# Altium PCB Controller.PcbDoc (part 2 of 3)
Units mm, origin at the board's own origin, x right, y up, seen from the top; angles counter-clockwise.
Board outline 182.88 x 202.56 mm, 2 copper layers (Top Layer, Bottom Layer), stack 1.571 mm thick; 290 components, 190 nets, 919 pads, 198 vias.
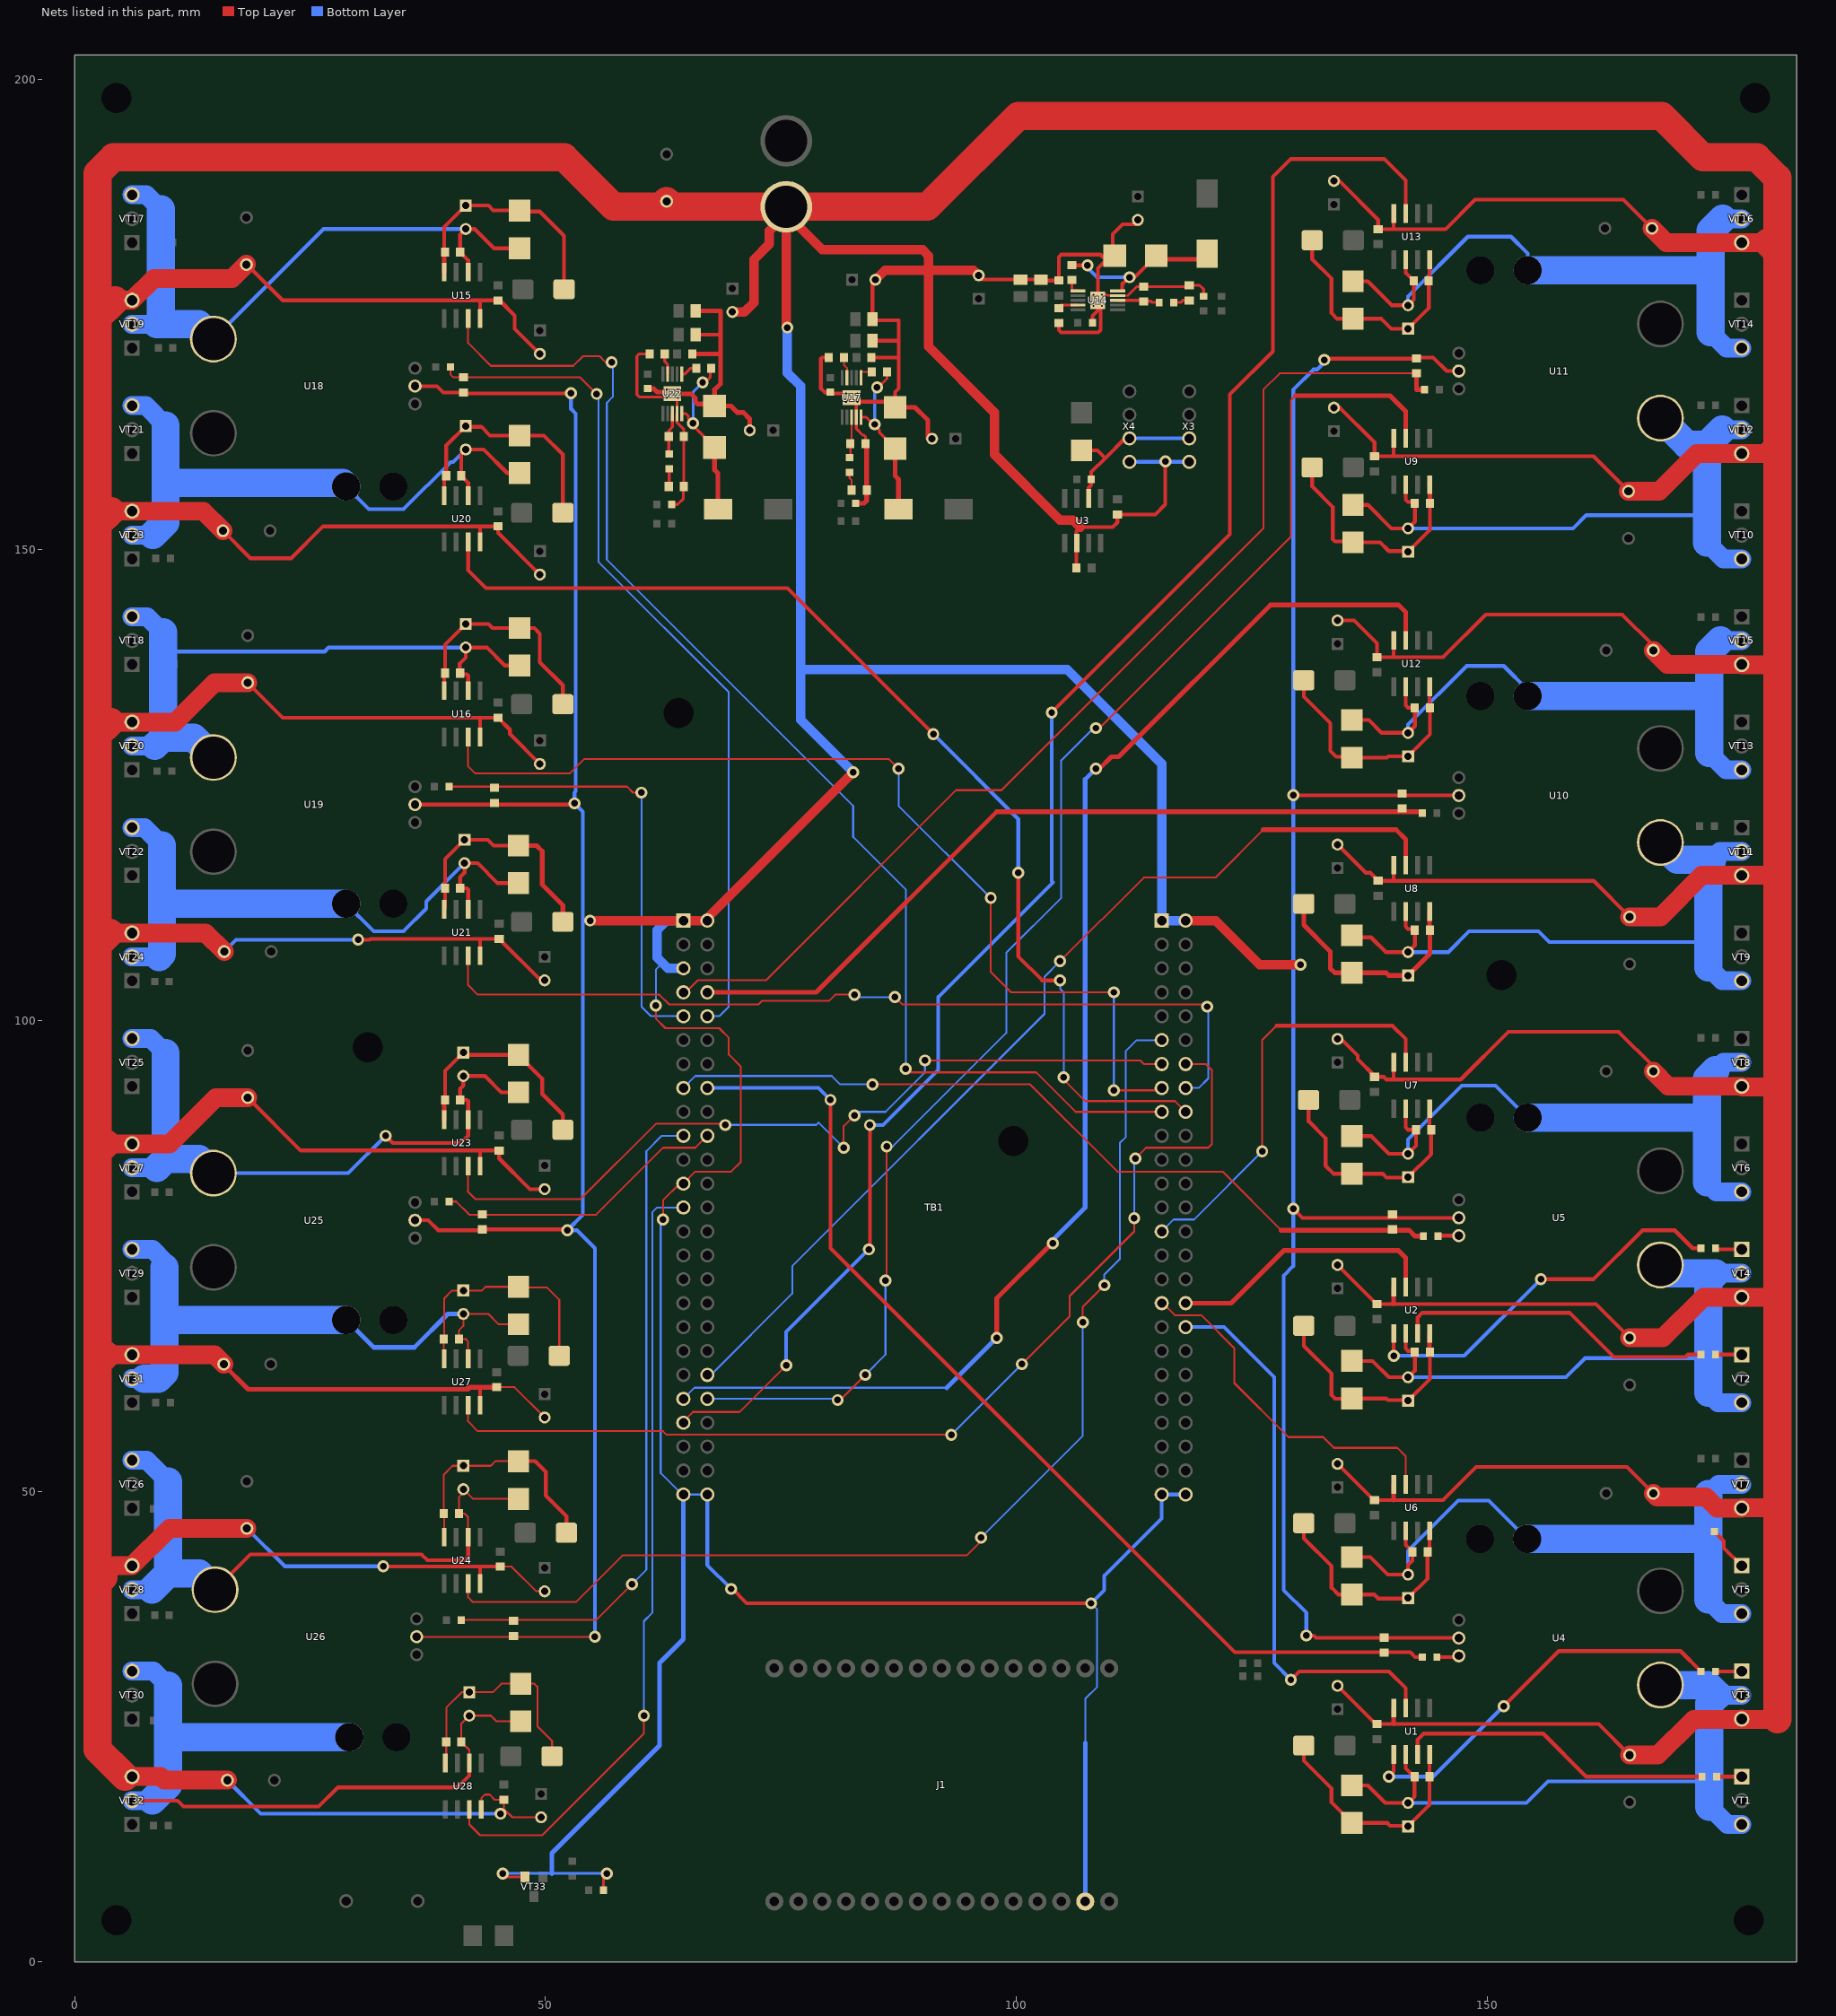
[diagram p2: the nets of this part, all layers, seen from the top]

## Via types
v1: diameter 1.27, hole 0.711, Top Layer to Bottom Layer, 198 vias

## Nets (pads, with @x,y where several pads share a name; then routed paths per layer and width w, separated by ;. In a path a pad name is that pad's centre, name@x,y a point inside that pad or via, vN(x,y) a via of type N, cw(c..) or ccw(c..) an arc to the next point about the centre after c; other vN are vias at no path point) (continued)
CANL: CR3.2 R5.2 U3.6 X3.3 X4.3 | length 17.7
  Top Layer w0.4: CR3.2@106.934,160.566 108.623,160.566 109.423,159.766 109.474,159.766 ; U3.6@107.696,155.448 107.696,156.591 107.966,156.861 R5.2@107.966,157.48 107.966,158.258 109.474,159.766 ; X4.3@112.014,161.838 111.546,161.838 109.474,159.766
  Bottom Layer w0.4: X4.3@112.014,161.838 X3.3@118.364,161.838
CURRENT_ML1: C12.1 R6.2 TB1.P1_16 | length 110.2
  Top Layer w0.4: v1(80.264,91.567) 80.264,75.819 123.19,32.893 141.859,32.893 142.367,32.385 R6.2@143.113,32.385
  Bottom Layer w0.4: TB1.P1_16@67.183,92.837 78.994,92.837 v1(80.264,91.567)
CURRENT_ML2: C13.1 R7.2 TB1.P1_15 | length 86.2
  Top Layer w0.2: v1(84.709,93.218) 101.473,93.218 110.744,83.947 121.92,83.947 128.143,77.724
  Top Layer w0.5: 128.143,77.724 141.732,77.724 142.367,77.089 R7.2@143.24,77.089
  Bottom Layer w0.2: TB1.P1_15@64.643,92.837 65.913,94.107 80.391,94.107 81.28,93.218 v1(84.709,93.218)
CURRENT_ML3: C36.1 R16.2 TB1.P1_8 | length 84.4
  Top Layer w0.5: TB1.P1_8@67.183,102.997 78.74,102.997 97.917,122.174 C36.1@140.97,122.174 ; C36.1@140.97,122.517 C36.1@140.97,122.174 ; R16.2@143.113,122.047 R16.2@142.986,122.174 ; R16.2@143.113,122.174 R16.2@142.986,122.174 ; C36.1@140.97,122.174 R16.2@142.986,122.174
CURRENT_ML4: C37.1 R17.2 TB1.P1_7 | length 116.3
  Top Layer w0.2: TB1.P1_7@64.643,102.997 64.897,102.997 66.167,104.267 73.406,104.267 93.599,124.46 98.425,124.46 126.238,152.273 126.238,167.005 127.978,168.745 C37.1@142.494,168.745
  Top Layer w0.5: C37.1@142.494,168.745 142.494,167.005 R17.2@143.367,167.005
CURRENT_MR1: C74.1 R32.2 TB1.P1_10 | length 90.8
  Top Layer w0.2: R32.2@39.894,169.418 39.894,168.64 40.221,168.313 C74.1@41.275,168.313 53.683,168.313 v1(55.435,166.56)
  Bottom Layer w0.2: v1(55.435,166.56) 55.626,166.37 55.626,148.717 69.469,134.874 69.469,101.473 68.453,100.457 TB1.P1_10@67.183,100.457
CURRENT_MR2: C75.1 R33.2 TB1.P1_9 | length 48.3
  Top Layer w0.2: R33.2@39.767,124.841 58.674,124.841 59.309,124.206 v1(60.198,124.206)
  Bottom Layer w0.2: v1(60.198,124.206) 60.198,101.473 61.214,100.457 TB1.P1_9@64.643,100.457
CURRENT_MR3: C107.1 R48.2 TB1.P1_20 | length 31.5
  Top Layer w0.2: R48.2@39.767,80.772 40.513,80.772 41.91,79.375 55.382,79.375 56.15,80.143 56.15,80.153 62.484,86.487 65.913,86.487 TB1.P1_20@67.183,87.757
CURRENT_MR4: C108.1 R49.2 TB1.P1_19 | length 70.9
  Top Layer w0.2: R49.2@41.037,36.322 55.372,36.322 v1(59.182,40.132)
  Bottom Layer w0.2: v1(59.182,40.132) 60.706,41.656 60.706,86.106 62.357,87.757 TB1.P1_19@64.643,87.757
GND: C5.2 C6.2 C7.1 C8.1 C9.2 C10.2 C11.1 C12.2 C13.2 C14.1 C19.2 C20.2 C21.1 C22.1 C23.2 C24.2 C29.2 C30.2 C31.1 C32.1 C33.2 C34.2 C35.2 C36.2 C37.2 C43.2 C44.2 C45.1 C46.1 C47.2 C48.2 C49.2 C50.2 C51.2 C52.1 C53.1 C54.1 C55.1 C56.1 C61.2 C62.2 C63.1 C64.1 C65.2 C66.2 C68.2 C69.2 C70.2 C71.1 C72.1 C73.1 C74.2 C75.2 C76.1 C81.1 C82.2 C83.2 C84.1 C85.1 C86.2 C87.2 C89.2 C90.2 C91.2 C92.1 C93.1 C94.1 C95.1 C100.2 C101.2 C102.1 C103.1 C104.1 C105.2 C106.2 C107.2 C108.2 C113.2 C114.2 C115.1 C116.1 C117.2 C118.2 D1.A D2.A D3.A J1.29 R23.2 R25.2 R31.2 R35.2 R41.2 R43.2 R57.2 TB1.P1_1 TB1.P1_2 TB1.P1_5 TB1.P1_23 TB1.P1_49 TB1.P1_50 TB1.P2_1 TB1.P2_2 TB1.P2_49 TB1.P2_50 U1.4 U2.4 U3.2 U4.2 U5.2 U6.4 U7.4 U8.4 U9.4 U10.2 U11.2 U12.4 U13.4 U14.9 U14.11 U14.12 U14.13 U14.14 U14.15 U14.16 U15.4 U16.4 U17.9 U17.11 U17.12 U17.13 U17.14 U17.15 U17.16 U18.2 U19.2 U20.4 U21.4 U22.9 U22.11 U22.12 U22.13 U22.14 U22.15 U22.16 U23.4 U24.4 U25.2 U26.2 U27.4 U28.4 VT3.3 VT4.3 VT7.3 VT8.3 VT11.3 VT12.3 VT15.3 VT16.3 VT19.3 VT20.3 VT23.3 VT24.3 VT27.3 VT28.3 VT31.3 VT32.3 VT33.2 X3.4 X4.4 X5.2 | length 2490.9
  Top Layer w0.2: C117.2@15.828,63.42 C117.2@15.828,63.5 ; U26.2@36.322,34.544 v1(55.245,34.544) ; U28.4@43.18,16.205 43.18,17.399 43.561,17.78 44.069,17.78 44.615,17.234 C116.1@45.593,17.234 45.593,16.256 46.482,15.367 C114.2@49.53,15.367 ; C115.1@44.831,61.049 46.698,61.049 C113.2@49.911,57.836 ; C104.1@45.212,41.999 46.393,41.999 49.022,39.37 C101.2@49.911,39.37 ; v1(61.722,101.6) 61.722,100.203 62.738,99.187 68.453,99.187 69.469,98.171 69.469,96.393 70.739,95.123 70.739,84.963 69.723,83.947 65.913,83.947 TB1.P1_23@64.643,82.677 64.262,82.677 62.484,80.899 v1(62.484,78.867) ; 109.544,177.095 109.614,177.025 110.724,177.025 U14.9@110.754,176.995 111.844,176.995
  Top Layer w0.3: v1(45.466,9.398) 45.834,9.03 VT33.2@47.816,9.03 ; R57.2@56.15,7.62 56.15,9.033 v1(56.515,9.398) ; C91.2@61.062,170.815 59.957,170.815 59.703,170.561 59.703,166.497 59.957,166.243 62.751,166.243 U22.16@62.878,166.116 ; R41.2@63.402,154.813 64.021,154.813 64.656,155.448 64.656,156.68 C102.1@64.694,156.718 C95.1@64.694,162.052 64.694,162.776 63.948,163.522 63.948,164.436 U22.9@63.978,164.466 63.978,166.016 U22.13@64.078,166.116 ; C93.1@65.583,172.491 C93.1@65.939,172.847 ; U17.13@83.115,165.724 83.015,165.624 U17.9@83.015,164.074 83.015,162.857 83.693,162.179 83.82,162.179 83.985,162.014 C76.1@83.985,161.29 ; U14.13@109.104,177.095 109.544,177.095 ; 111.844,176.995 112.814,177.965 C55.1@113.538,177.965 118.237,177.965 C56.1@118.364,178.092 119.469,178.092 119.888,177.673 R23.2@119.888,176.927
  Top Layer w0.4: C86.2@15.748,152.019 18.669,149.098 22.987,149.098 26.378,152.489 42.926,152.489 ; C65.2@18.248,180.34 22.096,176.492 42.926,176.492 ; C105.2@18.375,91.821 24.001,86.195 43.053,86.195 ; C66.2@18.375,135.89 22.096,132.169 43.053,132.169 ; v1(30.099,108.585) 31.318,108.585 31.407,108.674 43.053,108.674 ; v1(32.766,42.037) 32.804,41.999 43.053,41.999 ; U25.2@36.144,78.787 37.545,78.787 38.608,77.724 43.218,77.724 C107.2@43.307,77.813 52.235,77.813 v1(52.324,77.724) ; U19.2@36.144,122.936 v1@53.086,122.936 ; U18.2@36.144,167.386 38.481,167.386 39.154,166.713 C74.2@41.275,166.713 41.364,166.624 v1(52.705,166.624) ; U24.4@43.053,40.208 43.053,41.999 ; U27.4@43.053,59.131 43.053,61.049 ; U23.4@43.053,84.531 43.053,86.195 ; U21.4@43.053,106.883 43.053,108.674 ; U16.4@43.053,130.124 43.053,132.169 ; U20.4@43.053,150.825 43.053,152.362 42.926,152.489 ; U15.4@43.053,174.574 43.053,176.365 42.926,176.492 ; C104.1@45.212,41.999 43.053,41.999 ; C62.2@49.403,127.254 46.228,130.429 46.228,130.899 C64.1@44.958,132.169 43.053,132.169 ; C82.2@49.403,147.371 44.958,151.816 C84.1@44.958,152.489 42.926,152.489 ; C61.2@49.403,170.815 46.736,173.482 46.736,174.879 45.123,176.492 C63.1@44.958,176.492 42.926,176.492 ; C100.2@49.911,82.093 48.336,82.093 45.085,85.344 C103.1@45.085,86.195 43.053,86.195 ; C83.2@49.911,104.267 49.492,104.267 C85.1@45.085,108.674 43.053,108.674 ; C93.1@65.939,172.847 68.593,172.847 ; v1(69.723,39.624) 69.723,39.751 71.374,38.1 v1(107.95,38.1) ; C70.2@80.099,170.434 79.375,170.434 79.248,170.307 79.248,167.132 79.645,166.735 R35.2@80.264,166.735 80.375,166.624 U17.15@81.915,166.624 82.065,166.624 U17.14@82.515,166.174 ; U17.16@81.915,165.724 82.065,165.724 U17.14@82.515,166.174 ; U17.12@83.115,166.624 U17.13@83.115,165.724 ; C73.1@84.582,170.434 C73.1@84.62,170.434 87.503,170.434 ; C72.1@84.722,172.212 87.503,172.212 ; C69.2@85.039,178.689 84.722,178.371 C71.1@84.722,174.498 84.849,174.371 87.503,174.371 87.503,172.212 ; C50.2@96.012,179.146 96.456,178.702 C53.1@100.457,178.702 C52.1@102.616,178.702 102.718,178.6 C54.1@104.521,178.6 104.521,181.102 104.775,181.356 108.925,181.356 109.433,180.848 109.433,180.68 108.654,179.901 U14.14@108.654,176.645 ; C51.2@104.521,174.079 104.521,173.355 104.775,173.101 108.712,173.101 108.966,173.355 108.966,175.757 U14.16@109.104,175.895 U14.13@109.104,177.095 U14.14@108.654,176.645 ; C11.1@106.388,148.082 106.388,151.981 106.807,152.4 110.236,152.4 110.744,152.908 C14.1@110.744,153.759 114.77,153.759 115.824,154.813 v1(115.824,159.385) ; R25.2@108.093,174.117 108.093,174.863 108.654,175.424 U14.14@108.654,176.495 U14.14@108.654,176.645 ; U14.15@108.204,175.895 U14.12@108.204,177.095 ; D1.A@109.687,180.848 110.236,181.397 110.236,183.515 111.303,184.582 C47.2@113.03,184.582 ; TB1.P2_50@117.983,49.657 TB1.P2_50@118.11,49.53 ; v1(129.413,80.01) 130.382,79.041 U5.2@146.99,79.041 ; v1@129.413,123.905 C36.2@140.97,123.905 ; v1(130.81,34.671) 131.572,34.671 131.826,34.417 U4.2@146.99,34.417 ; v1(132.715,170.18) 132.842,170.307 142.456,170.307 C37.2@142.494,170.345 142.583,170.434 144.272,170.434 145.716,168.99 U11.2@146.99,168.99 ; C30.2@133.731,165.1 134.366,165.1 138.049,161.417 C32.1@138.049,159.931 140.081,159.931 ; C44.2@133.731,189.179 134.29,189.179 138.43,185.039 C46.1@138.43,184.061 140.081,184.061 ; C5.2@134.112,29.337 138.176,25.273 C7.1@138.303,25.273 140.081,25.273 161.838,25.273 C9.2@165.14,21.971 ; C19.2@134.112,52.908 137.96,49.06 C21.1@138.049,49.06 140.081,49.06 145.326,49.06 148.844,52.578 164.846,52.578 C23.2@167.64,49.784 ; C6.2@134.112,74.041 138.265,69.888 C8.1@138.303,69.888 140.081,69.888 161.546,69.888 C10.2@165.14,66.294 ; C20.2@134.112,98.044 134.493,98.044 136.271,96.266 136.271,95.885 138.049,94.107 C22.1@138.049,94.018 139.027,94.018 139.319,93.726 140.081,93.726 ; C29.2@134.112,118.694 137.109,115.697 137.579,115.697 C31.1@138.43,114.846 139.954,114.846 ; C43.2@134.112,142.494 135.89,142.494 138.303,140.081 C45.1@138.303,138.595 140.081,138.595 ; U7.4@140.081,95.555 140.081,93.726 ; U8.4@140.081,116.51 140.081,114.973 139.954,114.846 ; U12.4@140.081,140.386 140.081,138.595 ; U9.4@140.081,161.849 140.081,159.931 ; U13.4@140.081,185.725 140.081,184.061 ; C36.2@140.97,124.117 C36.2@140.97,123.905 ; U10.2@146.99,123.905 C36.2@140.97,123.905 ; C34.2@165.013,156.21 161.292,159.931 140.081,159.931 ; C33.2@165.14,110.998 161.292,114.846 139.954,114.846 ; C49.2@167.513,184.15 164.465,187.198 148.717,187.198 145.58,184.061 140.081,184.061 ; C24.2@167.64,94.615 167.64,95.123 163.957,98.806 152.273,98.806 147.193,93.726 140.081,93.726 ; C48.2@167.64,139.319 167.64,139.827 164.338,143.129 149.86,143.129 145.326,138.595 140.081,138.595 ; U17.14@82.515,166.174 82.665,166.174 U17.13@83.115,165.724 ; U17.13@83.115,165.724 86.539,165.724 D2.A@87.122,165.141 87.122,166.751 87.503,167.132 87.503,170.434 ; 87.503,170.434 87.503,172.212
  Top Layer w0.5: C117.2@15.828,63.42 18.415,60.833 41.783,60.833 ; 41.783,61.049 43.053,61.049 C115.1@44.831,61.049 ; R43.2@60.846,167.116 61.497,167.116 61.862,166.751 U22.11@62.878,166.751 ; U22.16@62.878,166.116 63.028,166.116 U22.14@63.478,166.566 ; U22.15@62.878,167.016 63.028,167.016 U22.14@63.478,166.566 ; U22.13@64.078,166.116 63.928,166.116 U22.14@63.478,166.566 ; U22.12@64.078,167.016 63.928,167.016 U22.14@63.478,166.566 ; C94.1@65.583,170.815 68.593,170.815 ; C92.1@65.939,175.387 68.593,175.387 68.593,172.847 68.593,170.815 ; C89.2@71.692,162.687 71.692,163.906 71.006,164.592 70.371,164.592 69.695,165.268 D3.A@67.958,165.268 D3.A@67.958,165.522 ; R31.2@82.947,154.94 83.82,154.94 84.112,155.232 C81.1@84.112,156.337 84.112,161.163 C76.1@83.985,161.29 ; D2.A@87.122,165.141 89.24,165.141 90.602,163.779 C68.2@90.602,161.798 ; 140.081,25.273 U1.4@140.081,26.975 ; 140.081,49.06 U6.4@140.081,50.724 ; 140.081,69.888 U2.4@140.081,71.679 ; U22.14@63.478,166.566 65.476,166.566 65.926,166.116 65.926,165.735 66.18,165.481 67.917,165.481 D3.A@67.958,165.522 ; D3.A@67.958,165.522 67.958,167.005 68.593,167.64 68.593,170.815
  Top Layer w1: v1(54.737,110.617) TB1.P1_1@64.643,110.617 TB1.P1_2@67.183,110.617 67.183,110.871 v1(82.677,126.365) ; C90.2@69.85,175.26 71.12,175.26 72.136,176.276 72.136,180.848 73.787,182.499 73.787,183.896 X5.2@75.565,185.674 ; X5.2@75.565,184.785 75.565,173.736 v1(75.692,173.609) ; X5.2@75.565,186.436 X5.2@75.565,185.674 ; C69.2@85.039,178.689 86.055,179.705 90.678,179.705 ; C50.2@96.012,179.146 95.453,179.705 90.678,179.705 ; 106.807,152.4 106.045,153.162 104.648,153.162 97.663,160.147 97.663,164.592 90.678,171.577 90.678,179.705 ; TB1.P2_2@117.983,110.617 121.158,110.617 125.857,105.918 v1(130.175,105.918) ; X5.2@75.565,185.674 79.375,181.864 90.043,181.864 90.678,181.229 90.678,179.705
  Top Layer w2: 3.048,40.894 4.242,42.088 VT28.3@6.096,42.088 10.062,46.054 C106.2@18.288,46.054 ; 3.277,64.491 VT31.3@6.096,64.491 14.837,64.491 C117.2@15.828,63.5 ; 3.327,86.893 VT27.3@6.096,86.893 10.058,86.893 14.986,91.821 C105.2@18.375,91.821 ; 3.734,109.296 VT24.3@6.096,109.296 13.894,109.296 C87.2@15.875,107.315 ; 3.81,131.699 VT20.3@6.096,131.699 10.668,131.699 14.859,135.89 C66.2@18.375,135.89 ; 3.861,154.102 VT23.3@6.096,154.102 13.665,154.102 C86.2@15.748,152.019 ; 4.293,176.505 VT19.3@6.096,176.505 8.407,178.816 16.724,178.816 C65.2@18.248,180.34 ; VT32.3@5.334,19.685 VT32.3@6.096,19.685 9.144,19.685 9.525,19.304 C118.2@16.209,19.304 ; C34.2@165.013,156.21 168.275,156.21 172.288,160.223 VT12.3@177.038,160.223 179.527,160.223 180.848,161.544 ; C9.2@165.14,21.971 168.148,21.971 171.958,25.781 177.013,25.781 VT3.3@177.038,25.806 177.063,25.781 180.848,25.781 ; C10.2@165.14,66.294 168.656,66.294 172.974,70.612 VT4.3@177.038,70.612 180.848,70.612 ; C33.2@165.14,110.998 168.402,110.998 172.822,115.418 VT11.3@177.038,115.418 177.063,115.443 180.848,115.443 ; C49.2@167.513,184.15 169.037,182.626 VT16.3@177.038,182.626 179.832,182.626 ; C23.2@167.64,49.784 168.021,49.403 173.228,49.403 174.422,48.209 VT7.3@177.038,48.209 177.089,48.26 180.848,48.26 ; C24.2@167.64,94.615 169.24,93.015 VT8.3@177.038,93.015 177.089,92.964 180.848,92.964 ; C48.2@167.64,139.319 169.139,137.82 VT15.3@177.038,137.82 177.063,137.795 180.848,137.795
  Top Layer w3: 3.048,40.894 2.413,40.259 ; 3.277,64.491 2.413,63.627 ; 3.327,86.893 2.413,85.979 ; 3.734,109.296 2.413,107.975 ; 3.81,131.699 2.413,130.302 ; 3.861,154.102 2.413,152.654 ; 4.293,176.505 2.413,174.625 ; VT32.3@5.334,19.685 2.413,22.606 2.413,40.259 ; C35.2@62.865,187.024 63.453,186.436 ; 179.832,182.626 180.848,181.61 ; 180.848,25.781 180.848,48.26 180.848,70.612 180.848,92.964 180.848,115.443 180.848,137.795 180.848,161.544 180.848,181.61 ; 2.413,40.259 2.413,63.627 ; 2.413,63.627 2.413,85.979 ; 2.413,85.979 2.413,107.975 ; 2.413,107.975 2.413,130.302 ; 2.413,130.302 2.413,152.654 ; 2.413,152.654 2.413,174.625 ; 2.413,174.625 2.413,189.992 4.096,191.675 51.975,191.675 57.214,186.436 63.453,186.436 ; 63.453,186.436 X5.2@75.565,186.436 90.551,186.436 100.203,196.088 168.529,196.088 172.942,191.675 178.657,191.675 180.848,189.484 180.848,181.61
  Bottom Layer w0.2: v1(61.722,101.6) 61.722,105.41 62.42,106.108 ; v1(62.484,78.867) 62.23,78.613 62.23,51.943 64.516,49.657 TB1.P1_49@64.643,49.657 TB1.P1_50@67.183,49.657 ; 107.325,23.251 107.325,27.95 108.585,29.21 108.585,37.465 v1(107.95,38.1)
  Bottom Layer w0.3: v1(45.466,9.398) 50.673,9.398 v1(56.515,9.398)
  Bottom Layer w0.4: C87.2@15.875,107.315 17.145,108.585 v1(30.099,108.585) ; C118.2@16.209,19.304 19.765,15.748 v1(45.212,15.748) ; C106.2@18.288,46.054 22.305,42.037 v1(32.766,42.037) ; v1(52.705,166.624) 52.705,164.973 53.213,164.465 53.213,124.333 53.086,124.206 v1(53.086,123.063) 53.975,122.174 53.975,110.617 ; v1(54.737,110.617) 53.975,110.617 ; v1(55.245,34.544) 55.245,75.819 53.34,77.724 v1(52.324,77.724) 53.975,79.375 53.975,110.617 ; TB1.P1_50@67.183,49.657 67.183,42.164 v1(69.723,39.624) ; v1(107.95,38.1) 109.347,39.497 109.347,41.021 115.443,47.117 TB1.P2_49@115.443,49.657 TB1.P2_50@117.983,49.657 ; X4.4@112.014,159.338 X3.4@118.364,159.338 ; v1(130.81,34.671) 130.81,37.084 128.397,39.497 128.397,72.898 129.413,73.914 v1(129.413,80.01) 129.413,106.045 v1(129.413,123.952) 129.413,167.005 131.572,169.164 131.953,169.164 132.715,169.926 v1(132.715,170.18) ; U11.2@146.816,169.164 U11.2@146.99,168.99
  Bottom Layer w0.5: 50.673,9.398 50.673,11.557 62.103,22.987 62.103,31.75 64.643,34.29 TB1.P1_49@64.643,49.657 ; J1.29@107.325,6.423 107.325,23.251
  Bottom Layer w1: TB1.P1_5@64.643,105.537 62.992,105.537 62.42,106.108 61.849,106.68 61.849,109.601 62.865,110.617 TB1.P1_1@64.643,110.617 ; v1(75.692,173.609) 75.692,168.783 77.089,167.386 77.089,137.287 ; v1(82.677,126.365) 77.089,131.953 77.089,137.287 ; TB1.P2_2@117.983,110.617 TB1.P2_1@115.443,110.617 115.443,127.254 105.41,137.287 77.089,137.287 ; 129.413,106.045 129.54,105.918 v1(130.175,105.918)
Lo1_ML1: TB1.P2_36 U1.3 | length 59.9
  Top Layer w0.4: v1(129.159,29.972) 130.048,30.861 139.573,30.861 141.351,29.083 U1.3@141.351,26.975
  Bottom Layer w0.4: TB1.P2_36@117.983,67.437 122.047,67.437 127.381,62.103 127.381,31.75 v1(129.159,29.972)
Lo1_ML2: TB1.P2_34 U2.3 | length 29.1
  Top Layer w0.5: TB1.P2_34@117.983,69.977 122.809,69.977 128.397,75.565 140.589,75.565 141.351,74.803 U2.3@141.351,71.679
Lo1_ML3: TB1.P1_40 U8.3 | length 105.3
  Top Layer w0.2: v1(104.648,106.299) 113.538,115.189 121.158,115.189 126.238,120.269
  Top Layer w0.5: 126.238,120.269 140.335,120.269 141.351,119.253 U8.3@141.351,116.51
  Bottom Layer w0.2: TB1.P1_40@67.183,62.357 67.564,62.357 76.2,70.993 76.2,73.914 102.997,100.711 102.997,104.648 v1(104.648,106.299)
Lo1_ML4: TB1.P1_42 U9.3 | length 156.9
  Top Layer w0.2: v1(81.026,59.69) 81.28,59.69 v1(83.947,62.357) ; v1(86.106,72.39) 86.233,72.517 v1(86.233,86.614) ; v1(108.458,131.064) 108.839,131.064 129.159,151.384 129.159,165.862 129.667,166.37
  Top Layer w0.5: 129.667,166.37 139.7,166.37 141.351,164.719 U9.3@141.351,161.849
  Bottom Layer w0.2: TB1.P1_42@67.183,59.817 80.899,59.817 v1(81.026,59.69) ; v1(83.947,62.357) 86.106,64.516 v1(86.106,72.39) ; v1(86.233,86.614) 86.868,86.614 98.933,98.679 98.933,107.188 104.775,113.03 104.775,127.635 108.204,131.064 v1(108.458,131.064)
Lo1_MR1: TB1.P2_17 U15.3 | length 137.4
  Top Layer w0.2: U15.3@41.783,174.574 41.783,171.958 44.196,169.545 52.959,169.545 53.975,170.561 55.753,170.561 56.388,169.926 v1(57.023,169.926) ; v1(88.265,94.869) 88.646,94.488 102.108,94.488 106.299,90.297 TB1.P2_17@115.443,90.297
  Bottom Layer w0.2: v1(57.023,169.926) 57.15,170.053 57.15,166.243 56.515,165.608 56.515,148.971 82.677,122.809 82.677,119.507 88.265,113.919 v1(88.265,94.869)
Lo1_MR2: TB1.P2_15 U16.3 | length 105.4
  Top Layer w0.2: U16.3@41.783,130.124 41.783,127 42.545,126.238 52.578,126.238 54.102,127.762 86.487,127.762 v1(87.503,126.746) ; v1(97.282,113.03) 97.282,105.156 99.441,102.997 v1(110.363,102.997) ; v1(110.363,92.583) 115.189,92.583 TB1.P2_15@115.443,92.837
  Bottom Layer w0.2: v1(87.503,126.746) 87.503,122.809 v1(97.282,113.03) ; v1(110.363,92.583) v1(110.363,102.997)
Lo1_MR3: TB1.P2_13 U23.3 | length 87.9
  Top Layer w0.2: U23.3@41.783,84.531 41.783,81.788 42.545,81.026 53.721,81.026 61.722,89.027 69.342,89.027 69.215,88.9 v1(69.088,88.9) ; v1(81.661,86.487) 81.661,88.773 v1(82.804,89.916) ; v1(90.297,95.758) 113.157,95.758 113.538,95.377 TB1.P2_13@115.443,95.377
  Bottom Layer w0.2: v1(69.088,88.9) 69.104,88.916 78.756,88.916 78.994,89.154 v1(81.661,86.487) ; v1(82.804,89.916) 83.185,90.297 86.106,90.297 90.297,94.488 v1(90.297,95.758)
Lo1_MR4: TB1.P2_11 U24.3 | length 121.6
  Top Layer w0.2: U24.3@41.783,40.208 41.783,38.735 42.291,38.227 53.213,38.227 58.166,43.18 94.742,43.18 96.266,44.704 v1(96.266,45.085) ; v1(107.061,67.945) 107.061,69.596 v1(109.347,71.882)
  Bottom Layer w0.2: v1(96.266,45.085) 107.061,55.88 v1(107.061,67.945) ; v1(109.347,71.882) 109.347,73.025 110.998,74.676 110.998,86.995 111.633,87.63 111.633,96.774 112.776,97.917 TB1.P2_11@115.443,97.917
Lo2_ML1: TB1.P2_33 U6.3 | length 37.8
  Top Layer w0.2: TB1.P2_33@115.443,69.977 115.57,69.977 116.84,68.707 119.634,68.707 123.158,65.183 123.158,61.5 128.905,55.753 132.588,55.753 133.731,54.61 140.462,54.61 141.351,53.721 U6.3@141.351,50.724
Lo2_ML2: TB1.P2_27 U7.3 | length 44.9
  Top Layer w0.2: v1(126.111,86.106) 126.111,97.917 127.635,99.441
  Top Layer w0.4: 127.635,99.441 139.954,99.441 141.351,98.044 U7.3@141.351,95.555
  Bottom Layer w0.2: TB1.P2_27@115.443,77.597 116.713,78.867 118.872,78.867 v1(126.111,86.106)
Lo2_ML3: TB1.P1_41 U12.3 | length 144.3
  Top Layer w0.5: v1(97.917,66.294) 97.917,70.485 103.759,76.327 v1(103.886,76.327) ; v1(108.458,126.746) 108.839,126.746 110.109,128.016 110.871,128.016 127,144.145 140.589,144.145 141.351,143.383 U12.3@141.351,140.386
  Bottom Layer w0.2: TB1.P1_41@64.643,59.817 65.817,60.991 92.614,60.991
  Bottom Layer w0.5: 92.614,60.991 v1(97.917,66.294) ; v1(103.886,76.327) 103.886,76.708 107.315,80.137 107.315,125.603 v1(108.458,126.746)
Lo2_ML4: TB1.P1_43 U13.3 | length 181.4
  Top Layer w0.2: TB1.P1_43@64.643,57.277 64.643,57.404 65.659,58.42 70.612,58.42 v1(75.565,63.373)
  Top Layer w0.4: v1(84.328,75.692) 84.455,75.819 v1(84.455,88.9) ; v1(103.759,132.715) 122.682,151.638 122.682,166.497 127.254,171.069 127.254,189.611 129.159,191.516 139.065,191.516 141.351,189.23 U13.3@141.351,185.725
  Bottom Layer w0.4: v1(75.565,63.373) 75.565,66.929 v1(84.328,75.692) ; v1(84.455,88.9) 85.852,88.9 91.694,94.742 91.694,102.489 103.886,114.681 103.759,114.808 v1(103.759,132.715)
Lo2_MR1: TB1.P2_18 U20.3 | length 117.5
  Top Layer w0.2: v1(105.029,93.98) 105.029,93.726 107.315,91.44 116.84,91.44 TB1.P2_18@117.983,90.297
  Top Layer w0.4: U20.3@41.783,150.825 41.783,147.828 43.688,145.923 75.692,145.923 v1(91.186,130.429) ; v1(100.203,115.697) 100.203,106.807 102.743,104.267 v1(104.648,104.267)
  Bottom Layer w0.2: v1(104.648,104.267) 104.648,103.378 105.029,102.997 v1(105.029,93.98)
  Bottom Layer w0.4: v1(91.186,130.429) 100.203,121.412 v1(100.203,115.697)
Lo2_MR2: TB1.P2_16 U21.3 | length 93.9
  Top Layer w0.2: U21.3@41.783,106.883 41.783,103.759 42.799,102.743 62.103,102.743 63.119,101.727 72.644,101.727 73.025,102.108 80.137,102.108 80.772,102.743 v1(82.804,102.743) ; v1(87.122,102.489) 87.884,101.727 120.015,101.727 v1(120.269,101.473)
  Bottom Layer w0.2: v1(82.804,102.743) 83.058,102.489 v1(87.122,102.489) ; TB1.P2_16@117.983,92.837 119.38,92.837 120.396,93.853 120.396,101.346 v1(120.269,101.473)
Lo2_MR3: TB1.P2_14 U27.3 | length 110.7
  Top Layer w0.2: U27.3@41.783,59.131 41.783,57.404 42.799,56.388 62.484,56.388 62.865,56.007 v1(93.091,56.007) ; v1(100.584,63.5) 105.664,68.58 105.664,70.739 112.522,77.597 v1(112.522,78.994) ; v1(112.649,85.344) 113.792,86.487 120.396,86.487 120.777,86.868 120.777,94.742 120.142,95.377 TB1.P2_14@117.983,95.377
  Bottom Layer w0.2: v1(93.091,56.007) v1(100.584,63.5) ; v1(112.522,78.994) 112.522,85.217 v1(112.649,85.344)
Lo2_MR4: TB1.P1_25 U28.3 | length 84.3
  Top Layer w0.2: U28.3@41.91,16.205 41.91,14.605 43.053,13.462 49.657,13.462 60.452,24.257 v1(60.452,26.162)
  Bottom Layer w0.2: v1(60.452,26.162) 60.452,36.195 61.341,37.084 61.341,79.629 61.849,80.137 TB1.P1_25@64.643,80.137
NetC1_1: C1.1 C3.2 CR1.1 U1.8 VD1.1 | length 25
  Top Layer w0.4: VD1.1@130.53,22.987 130.53,21.362 133.477,18.415 133.477,16.929 CR1.1@135.636,14.77 139.408,14.77 139.7,14.478 141.529,14.478 C1.1@141.605,14.402 143.891,16.688 C3.2@143.891,19.685 U1.8@143.891,22.047
NetC1_2: C1.2 C3.1 CR1.2 U1.6 U4.4 VT1.3 VT3.2 | length 71.1
  Top Layer w0.4: CR1.2@135.636,18.758 137.325,18.758 139.192,16.891 C1.2@141.605,16.891 142.291,17.577 C3.1@142.291,19.685 142.24,19.685 141.351,20.574 U1.6@141.351,22.047
  Bottom Layer w0.4: C1.2@141.605,16.891 154.178,16.891 156.464,19.177 173.609,19.177
  Bottom Layer w2: 173.609,16.51 175.514,14.605 VT1.3@177.038,14.605 ; 174.523,28.346 VT3.2@177.038,28.346
  Bottom Layer w3: U4.4@168.402,29.417 173.453,29.417 174.523,28.346 173.609,27.432 173.609,19.177 173.609,16.51
NetC2_1: C2.1 C4.2 CR2.1 U2.8 VD2.1 | length 25.1
  Top Layer w0.4: VD2.1@130.53,67.564 130.53,65.431 133.477,62.484 133.477,60.198 133.858,59.817 135.598,59.817 CR2.1@135.636,59.855 139.281,59.855 139.446,59.69 141.529,59.69 C2.1@141.605,59.614 143.929,61.938 C4.2@143.929,64.77
  Top Layer w0.5: U2.8@143.891,66.751 143.891,64.808 C4.2@143.929,64.77
NetC2_2: C2.2 C4.1 CR2.2 U2.6 U5.4 VT2.3 VT4.2 | length 71.1
  Top Layer w0.4: CR2.2@135.636,63.843 137.833,63.843 139.573,62.103 C2.2@141.605,62.103 142.329,62.827 C4.1@142.329,64.77 142.202,64.897 141.605,64.897 141.351,65.151 U2.6@141.351,66.751
  Bottom Layer w0.4: C2.2@141.605,62.103 158.369,62.103 160.401,64.135 173.482,64.135
  Bottom Layer w2: 173.482,60.452 174.523,59.411 VT2.3@177.038,59.411 ; 174.244,73.152 VT4.2@177.038,73.152
  Bottom Layer w3: U5.4@168.402,74.041 169.291,73.152 174.244,73.152 173.482,72.39 173.482,64.135 173.482,60.452
NetC15_1: C15.1 C17.2 CR4.1 U6.8 VD3.1 | length 24.8
  Top Layer w0.4: VD3.1@130.53,46.609 130.53,44.984 133.477,42.037 133.477,39.751 134.201,39.027 CR4.1@135.636,39.027 138.011,39.027 138.43,38.608 141.554,38.608 C15.1@141.605,38.659 143.675,40.729 C17.2@143.675,43.561 143.891,43.777 U6.8@143.891,45.796
NetC15_2: C15.2 C17.1 CR4.2 U6.6 VT5.3 VT7.2 X1.2 | length 69.7
  Top Layer w0.4: CR4.2@135.636,43.015 137.579,43.015 139.446,41.148 C15.2@141.605,41.148 141.605,42.164 142.075,42.634 C17.1@142.075,43.561 141.351,44.285 U6.6@141.351,45.796
  Bottom Layer w0.4: C15.2@141.605,41.148 141.605,43.688 146.939,49.022 150.161,49.022 X1.2@154.225,44.958
  Bottom Layer w2: 173.482,38.481 174.955,37.008 VT5.3@177.038,37.008 ; 173.482,49.682 174.549,50.749 VT7.2@177.038,50.749
  Bottom Layer w3: X1.2@154.225,44.958 173.101,44.958 173.482,44.577 ; 173.482,38.481 173.482,44.577 ; 173.482,49.682 173.482,44.577
NetC16_1: C16.1 C18.2 CR5.1 U7.8 VD4.1 | length 25.4
  Top Layer w0.4: VD4.1@131.038,91.567 131.038,89.307 132.842,87.503 132.842,84.582 133.693,83.731 CR5.1@135.636,83.731 138.9,83.731 139.319,83.312 141.554,83.312 C16.1@141.605,83.363 144.056,85.814 C18.2@144.056,88.392 143.891,88.557 U7.8@143.891,90.627
NetC16_2: C16.2 C18.1 CR5.2 U7.6 VT6.3 VT8.2 X2.2 | length 69.5
  Top Layer w0.4: CR5.2@135.636,87.719 137.706,87.719 139.573,85.852 C16.2@141.605,85.852 142.456,86.703 C18.1@142.456,88.392 141.605,88.392 141.351,88.646 U7.6@141.351,90.627
  Bottom Layer w0.4: C16.2@141.605,85.852 141.605,87.376 147.32,93.091 150.876,93.091 X2.2@154.305,89.662
  Bottom Layer w2: 173.355,82.804 174.346,81.813 VT6.3@177.038,81.813 ; 174.269,94.742 175.082,95.555 VT8.2@177.038,95.555
  Bottom Layer w3: X2.2@154.305,89.662 173.101,89.662 173.355,89.408 ; 173.355,82.804 173.355,89.408 ; 174.269,94.742 173.355,93.828 173.355,89.408
NetC25_1: C25.1 C27.2 CR6.1 U8.8 VD5.1 | length 24.4
  Top Layer w0.5: VD5.1@130.53,112.395 130.53,110.135 133.35,107.315 133.35,105.537 133.82,105.067 CR6.1@135.636,105.067 139.281,105.067 139.573,104.775 C25.1@141.605,104.775 143.929,107.099 C27.2@143.929,109.601 143.891,109.639 U8.8@143.891,111.582
NetC25_2: C25.2 C27.1 CR6.2 U8.6 U10.4 VT9.3 VT11.2 | length 70.9
  Top Layer w0.4: CR6.2@135.636,109.055 135.852,108.839 137.668,108.839 139.243,107.264 C25.2@141.605,107.264 142.329,107.988 C27.1@142.329,109.601 142.202,109.728 141.605,109.728 141.351,109.982 U8.6@141.351,111.582
  Bottom Layer w0.4: C25.2@141.605,107.264 145.872,107.264 148.082,109.474 155.448,109.474 156.591,108.331 173.355,108.331 173.482,108.204
  Bottom Layer w2: 173.482,105.664 174.93,104.216 VT9.3@177.038,104.216 ; 173.863,117.094 174.727,117.958 VT11.2@177.038,117.958
  Bottom Layer w3: U10.4@168.402,118.905 170.213,117.094 173.863,117.094 173.863,116.967 173.482,116.586 173.482,108.204 173.482,105.664
NetC26_1: C26.1 C28.2 CR7.1 U9.8 VD6.1 | length 25.2
  Top Layer w0.4: VD6.1@131.419,158.75 131.419,156.744 133.604,154.559 133.604,151.13 133.858,150.876 135.674,150.876 CR7.1@135.763,150.787 138.646,150.787 139.573,149.86 141.529,149.86 C26.1@141.605,149.784 143.929,152.108 C28.2@143.929,154.94
  Top Layer w0.5: U9.8@143.891,156.921 143.929,156.883 C28.2@143.929,154.94
NetC26_2: C26.2 C28.1 CR7.2 U9.6 U11.4 VT10.3 VT12.2 | length 70.2
  Top Layer w0.4: CR7.2@135.763,154.775 137.325,154.775 139.827,152.273 C26.2@141.605,152.273 142.329,152.997 C28.1@142.329,154.94 142.202,155.067 141.605,155.067 141.351,155.321 U9.6@141.351,156.921
  Bottom Layer w0.4: C26.2@141.605,152.273 159.131,152.273 160.528,153.67 173.355,153.67
  Bottom Layer w2: 173.355,150.749 175.082,149.022 VT10.3@177.038,149.022 ; 174.955,162.763 VT12.2@177.038,162.763
  Bottom Layer w3: U11.4@168.402,163.99 171.229,161.163 173.355,161.163 ; 173.355,150.749 173.355,153.67 173.355,161.163 ; 174.955,162.763 173.355,161.163
NetC38_1: C38.1 C40.2 CR8.1 U12.8 VD8.1 | length 25.6
  Top Layer w0.4: VD8.1@130.53,136.144 130.53,134.392 133.35,131.572 133.35,128.651 133.985,128.016 135.547,128.016 CR8.1@135.636,127.927 139.357,127.927 139.497,128.067 C38.1@141.605,128.067 143.929,130.391 C40.2@143.929,133.223 143.891,133.261 U12.8@143.891,135.458
NetC38_2: C38.2 C40.1 CR8.2 U12.6 VT13.3 VT15.2 X6.2 | length 68.7
  Top Layer w0.4: CR8.2@135.636,131.915 137.452,131.915 138.811,130.556 C38.2@141.605,130.556 142.329,131.28 C40.1@142.329,133.223 141.605,133.223 141.351,133.477 U12.6@141.351,135.458
  Bottom Layer w0.4: C38.2@141.605,130.556 141.605,131.445 147.828,137.668 151.765,137.668 154.305,135.128 X6.2@154.305,134.493
  Bottom Layer w2: 173.609,128.397 175.387,126.619 VT13.3@177.038,126.619 ; 174.777,140.36 VT15.2@177.038,140.36
  Bottom Layer w3: X6.2@154.305,134.493 173.355,134.493 173.609,134.239 ; 173.609,128.397 173.609,134.239 ; 174.777,140.36 173.609,139.192 173.609,134.239
NetC39_1: C39.1 C41.2 CR9.1 U13.8 VD9.1 | length 25.7
  Top Layer w0.4: VD9.1@131.419,182.88 131.419,180.874 133.477,178.816 133.477,175.133 134.074,174.536 CR9.1@135.763,174.536 138.773,174.536 139.827,173.482 C39.1@141.605,173.482 143.802,175.679 C41.2@143.802,178.562 143.891,178.651 U13.8@143.891,180.797
NetC39_2: C39.2 C41.1 CR9.2 U13.6 VT14.3 VT16.2 X7.2 | length 69.4
  Top Layer w0.4: CR9.2@135.763,178.524 137.325,178.524 139.878,175.971 C39.2@141.605,175.971 142.202,176.568 C41.1@142.202,178.562 141.351,179.413 U13.6@141.351,180.797
  Bottom Layer w0.4: C39.2@141.605,175.971 141.605,176.911 147.955,183.261 152.527,183.261 154.305,181.483 X7.2@154.305,179.705
  Bottom Layer w2: 173.101,179.705 173.736,179.07 ; 173.736,173.101 175.412,171.425 VT14.3@177.038,171.425 ; 175.006,185.166 VT16.2@177.038,185.166
  Bottom Layer w3: X7.2@154.305,179.705 173.101,179.705 ; 173.736,173.101 173.736,179.07 173.736,183.896 175.006,185.166
NetC42_1: C42.1 D1.C L1.2 U14.10 | length 18.6
  Top Layer w0.4: C42.1@105.918,180.251 106.134,180.467 106.388,180.213 v1(107.569,180.213) ; U14.10@111.252,177.546 111.252,178.267 111.338,178.267 v1(112.014,178.943) 112.563,178.943 114.468,180.848 D1.C@114.849,181.229
  Top Layer w0.5: D1.C@114.468,180.848 119.659,180.848 L1.2@120.269,181.458
  Bottom Layer w0.4: v1(107.569,180.213) 107.569,179.959 108.585,178.943 v1(112.014,178.943)
NetC42_2: C42.2 U14.1 | length 1.8
  Top Layer w0.3: C42.2@105.918,178.651 105.918,177.546 105.969,177.495 U14.1@106.554,177.495
NetC51_1: C51.1 U14.4 | length 2.2
  Top Layer w0.3: C51.1@104.837,175.995 U14.4@106.554,175.995
  Top Layer w0.4: C51.1@104.521,175.679 C51.1@104.837,175.995
NetC55_2: C55.2 R24.1 U14.8 | length 4.5
  Top Layer w0.3: U14.8@110.754,176.495 113.408,176.495 C55.2@113.538,176.365 113.576,176.403 114.3,176.403 114.427,176.276 R24.1@115.173,176.276
NetC56_2: C56.2 R24.2 | length 1.7
  Top Layer w0.3: R24.2@116.729,176.276 117.475,176.276 117.691,176.492 C56.2@118.364,176.492
NetC57_1: C57.1 C59.2 CR10.1 U15.8 VD10.1 | length 25.5
  Top Layer w0.4: C59.2@39.243,181.521 39.243,184.277 C57.1@41.529,186.563 43.942,186.563 44.45,186.055 47.206,186.055 CR10.1@47.244,186.017 47.333,185.928 49.403,185.928 51.969,183.362 VD10.1@51.969,177.673
  Top Layer w0.5: U15.8@39.243,179.502 C59.2@39.243,181.521
NetC57_2: C57.2 C59.1 CR10.2 U15.6 U18.4 VT17.3 VT19.2 | length 68.7
  Top Layer w0.4: U15.6@41.783,179.502 41.783,180.759 C59.1@40.932,181.61 40.932,183.477 C57.2@41.529,184.074 42.494,184.074 44.539,182.029 CR10.2@47.244,182.029
  Bottom Layer w0.4: U18.4@14.732,172.386 26.42,184.074 C57.2@41.529,184.074
  Bottom Layer w2: VT19.2@6.096,173.965 8.738,173.965 ; VT17.3@6.096,187.706 7.62,187.706 9.144,186.182
  Bottom Layer w3: 9.144,186.182 9.144,174.371 8.738,173.965 13.153,173.965 U18.4@14.732,172.386
NetC58_1: C58.1 C60.2 CR11.1 U16.8 VD11.1 | length 24.8
  Top Layer w0.4: U16.8@39.243,135.052 39.243,136.817 C60.2@39.332,136.906 39.332,139.916 C58.1@41.529,142.113 43.942,142.113 44.361,141.694 CR11.1@47.244,141.694 48.806,141.694 49.403,141.097 49.403,138.049 51.842,135.61 VD11.1@51.842,133.604
NetC58_2: C58.2 C60.1 CR11.2 U16.6 U19.4 VT18.3 VT20.2 | length 69.4
  Top Layer w0.4: U16.6@41.783,135.052 41.783,136.652 41.656,136.779 41.059,136.779 C60.1@40.932,136.906 40.894,136.944 40.894,137.922 41.529,138.557 C58.2@41.529,139.624 43.764,139.624 45.682,137.706 CR11.2@47.244,137.706
  Bottom Layer w0.4: 9.398,139.192 26.543,139.192 26.975,139.624 C58.2@41.529,139.624
  Bottom Layer w2: VT20.2@6.096,129.159 8.509,129.159 ; VT18.3@6.096,142.9 7.722,142.9 9.398,141.224
  Bottom Layer w3: 8.509,129.159 9.398,130.048 ; 9.398,141.224 9.398,139.192 9.398,130.048 ; U19.4@14.732,127.936 12.62,130.048 9.398,130.048
NetC67_1: C67.1 D2.C L2.2 U17.10 | length 17.9
  Top Layer w0.3: U17.10@83.515,164.074 84.084,164.074 85.471,162.687 85.471,162.433 D2.C@87.122,160.782 ; v1(85.217,167.259) 85.344,167.259 86.271,168.186 C67.1@86.271,168.91
  Top Layer w0.5: D2.C@87.122,160.782 D2.C@87.122,160.741 87.122,157.861 87.478,157.505 L2.2@87.478,154.305
  Bottom Layer w0.3: v1(84.963,163.322) 84.963,167.005 v1(85.217,167.259)
NetC67_2: C67.2 U17.1 | length 1.8
  Top Layer w0.2: U17.1@83.515,168.274 83.515,168.859 83.566,168.91 C67.2@84.671,168.91
NetC70_1: C70.1 U17.4 | length 2.3
  Top Layer w0.2: C70.1@81.699,170.434 81.699,169.634 82.015,169.318 U17.4@82.015,168.274
NetC76_2: C76.2 R34.1 U17.8 | length 4.4
  Top Layer w0.2: R34.1@82.296,159.782 82.385,159.871 C76.2@82.385,161.29 82.515,161.42 U17.8@82.515,164.074
NetC77_1: C77.1 C79.2 CR12.1 U20.8 VD12.1 | length 26.1
  Top Layer w0.4: U20.8@39.243,155.753 39.243,157.645 C79.2@39.459,157.861 39.459,161.074 C77.1@41.529,163.144 41.605,163.068 43.18,163.068 44.107,162.141 CR12.1@47.244,162.141 49.822,162.141 51.842,160.121 VD12.1@51.842,153.924
NetC77_2: C77.2 C79.1 CR12.2 U20.6 VT21.3 VT23.2 X8.2 | length 66.6
  Top Layer w0.4: U20.6@41.783,155.753 41.783,157.137 C79.1@41.059,157.861 41.059,160.185 C77.2@41.529,160.655 43.434,160.655 45.936,158.153 CR12.2@47.244,158.153
  Bottom Layer w0.4: X8.2@28.829,156.718 31.242,154.305 34.925,154.305 39.94,159.32 40.194,159.32 C77.2@41.529,160.655
  Bottom Layer w2: VT23.2@6.096,151.562 8.306,151.562 ; VT21.3@6.096,165.303 7.544,165.303 9.652,163.195
  Bottom Layer w3: 8.306,151.562 9.652,152.908 9.652,157.099 ; 9.652,163.195 9.652,157.099 ; X8.2@28.829,156.718 28.448,157.099 9.652,157.099
NetC78_1: C78.1 C80.2 CR13.1 U21.8 VD13.1 | length 25.4
  Top Layer w0.4: U21.8@39.243,111.811 39.332,111.9 C80.2@39.332,114.046 39.332,117.132 C78.1@41.402,119.202 43.866,119.202 44.488,118.58 CR13.1@47.117,118.58
  Top Layer w0.5: CR13.1@47.117,118.58 49.06,118.58 49.657,117.983 49.657,114.427 51.842,112.242 VD13.1@51.842,110.49
NetC78_2: C78.2 C80.1 CR13.2 U21.6 VT22.3 VT24.2 X9.2 | length 68.1
  Top Layer w0.4: U21.6@41.783,111.811 41.783,113.919 41.656,114.046 C80.1@40.932,114.046 40.932,115.227 41.402,115.697 C78.2@41.402,116.713 42.799,116.713 44.92,114.592 CR13.2@47.117,114.592
  Bottom Layer w0.4: X9.2@28.829,112.395 31.75,109.474 34.925,109.474 37.338,111.887 37.338,112.649 C78.2@41.402,116.713
  Bottom Layer w2: VT24.2@6.096,106.756 8.966,106.756 ; VT22.3@6.096,120.498 7.391,120.498 9.271,118.618
  Bottom Layer w3: 8.966,106.756 9.271,107.061 9.271,112.522 ; 9.271,118.618 9.271,112.522 ; X9.2@28.829,112.395 9.398,112.395 9.271,112.522
NetC81_2: C81.2 R34.2 | length 2
  Top Layer w0.2: R34.2@82.296,158.226 82.296,157.607 82.512,157.391 C81.2@82.512,156.337
NetC88_1: C88.1 D3.C L3.2 U22.10 | length 18.7
  Top Layer w0.3: U22.10@64.478,164.466 64.909,164.466 65.164,164.211 65.164,163.957 v1(65.672,163.449) 65.672,163.195 67.745,161.122 D3.C@67.958,161.122 ; v1(66.688,167.767) 66.815,167.64 67.488,168.313 C88.1@67.488,169.291
  Top Layer w0.5: D3.C@67.958,160.868 67.958,158.496 68.314,158.14 L3.2@68.314,154.305
  Bottom Layer w0.3: v1(65.672,163.449) 65.672,166.751 v1(66.688,167.767)
NetC88_2: C88.2 U22.1 | length 1.7
  Top Layer w0.3: U22.1@64.478,168.666 64.793,168.666 65.418,169.291 C88.2@65.888,169.291
NetC91_1: C91.1 U22.4 | length 2.3
  Top Layer w0.3: C91.1@62.662,170.815 62.662,170.015 62.978,169.699 U22.4@62.978,168.666
NetC95_2: C95.2 R42.1 U22.8 | length 4.5
  Top Layer w0.3: R42.1@63.132,160.163 63.094,160.201 C95.2@63.094,162.052 63.094,162.649 63.478,163.033 U22.8@63.478,164.466
NetC96_1: C96.1 C98.2 CR14.1 U23.8 VD14.1 | length 23.8
  Top Layer w0.4: C98.2@39.332,91.567 39.332,94.653 C96.1@41.275,96.596 41.516,96.355 CR14.1@47.117,96.355 49.657,93.815 49.657,92.202 51.842,90.017 VD14.1@51.842,88.392
  Top Layer w0.5: U23.8@39.243,89.459 39.243,91.478 C98.2@39.332,91.567
NetC96_2: C96.2 C98.1 CR14.2 U23.6 U25.4 VT25.3 VT27.2 | length 68.3
  Top Layer w0.4: v1(33.02,87.757) 33.782,86.995 41.021,86.995 41.783,87.757 U23.6@41.783,89.459 41.783,91.44 41.656,91.567 C98.1@40.932,91.567 40.932,92.748 41.275,93.091 C96.2@41.275,94.107 43.561,94.107 45.301,92.367 CR14.2@47.117,92.367
  Bottom Layer w0.4: U25.4@14.732,83.787 29.05,83.787 v1(33.02,87.757)
  Bottom Layer w2: VT27.2@6.096,84.353 8.738,84.353 ; VT25.3@6.096,98.095 8.077,98.095 9.652,96.52
  Bottom Layer w3: 8.738,84.353 9.652,85.268 ; 9.652,96.52 9.652,85.268 ; U25.4@14.732,83.787 13.208,85.311 9.695,85.311 9.652,85.268
NetC97_1: C97.1 C99.2 CR15.1 U24.8 VD15.1 | length 25.9
  Top Layer w0.2: U24.8@39.243,45.136 39.243,47.587 C99.2@39.205,47.625 39.205,51.778 40.132,52.705 C97.1@41.275,52.705 44.196,52.705 44.704,53.213 CR15.1@47.079,53.213
  Top Layer w0.4: CR15.1@47.079,53.213 48.895,53.213 50.038,52.07 50.038,49.53 52.223,47.345 VD15.1@52.223,45.593
NetC97_2: C97.2 C99.1 CR15.2 U24.6 U26.4 VT26.3 VT28.2 | length 68
  Top Layer w0.2: U24.6@41.783,45.136 41.783,47.244 41.402,47.625 C99.1@40.805,47.625 40.805,49.365 41.275,49.835 C97.2@41.275,50.216 42.304,49.187 CR15.2@47.117,49.187
  Top Layer w0.4: U26.4@14.91,39.544 18.673,43.307 36.83,43.307 37.465,42.672 41.402,42.672 41.783,43.053 U24.6@41.783,45.136
  Bottom Layer w2: VT28.2@6.096,39.548 8.204,39.548 ; VT26.3@6.096,53.289 7.671,53.289 9.906,51.054
  Bottom Layer w3: 8.204,39.548 9.906,41.25 ; 9.906,51.054 9.906,41.25 ; U26.4@14.91,39.544 13.204,41.25 9.906,41.25
NetC102_2: C102.2 R42.2 | length 1.9
  Top Layer w0.3: C102.2@63.094,156.718 63.132,156.756 R42.2@63.132,158.607
NetC109_1: C109.1 C111.2 CR16.1 U27.8 VD16.1 | length 25.7
  Top Layer w0.2: U27.8@39.243,64.059 39.205,64.097 C111.2@39.205,66.167 39.243,66.205 39.243,70.485 40.081,71.323 C109.1@41.275,71.323 43.256,71.323 43.65,71.717 CR16.1@47.117,71.717 47.206,71.628 50.165,71.628 51.461,70.332 VD16.1@51.461,64.389
NetC109_2: C109.2 C111.1 CR16.2 U27.6 VT29.3 VT31.2 X10.2 | length 66.1
  Top Layer w0.2: U27.6@41.783,64.059 41.783,65.913 41.529,66.167 C111.1@40.805,66.167 40.805,67.094 41.275,67.564 C109.2@41.275,68.834 43.942,68.834 45.047,67.729 CR16.2@47.117,67.729
  Bottom Layer w0.5: X10.2@28.829,68.199 31.75,65.278 36.068,65.278 39.624,68.834 C109.2@41.275,68.834
  Bottom Layer w2: VT31.2@6.096,61.951 7.391,61.951 ; VT29.3@6.096,75.692 8.255,75.692 9.525,74.422 9.525,73.787
  Bottom Layer w3: 7.391,61.951 8.865,61.951 9.525,62.611 9.525,68.326 ; 9.525,73.787 9.525,68.326 ; X10.2@28.829,68.199 9.652,68.199 9.525,68.326
NetC110_1: C110.1 C112.2 CR17.1 U28.8 VD17.1 | length 24.9
  Top Layer w0.2: U28.8@39.37,21.133 39.459,21.222 C112.2@39.459,23.368 ; C112.2@39.84,23.368 39.497,23.711 39.497,27.051 41.097,28.651 C110.1@41.91,28.651 44.399,28.651 45.301,29.553 CR17.1@47.371,29.553 48.806,29.553 49.149,29.21 49.149,25.019 50.699,23.469 VD17.1@50.699,21.844
NetC110_2: C110.2 C112.1 CR17.2 U28.6 VT30.3 VT32.2 X11.2 | length 89.2
  Top Layer w0.2: U28.6@41.91,21.133 41.91,22.517 C112.1@41.059,23.368 41.059,25.311 C110.2@41.91,26.162 44.196,26.162 44.793,25.565 CR17.2@47.371,25.565
  Top Layer w0.4: VT32.2@6.096,17.145 10.922,17.145 11.557,16.51 25.908,16.51 27.94,18.542 40.64,18.542 41.91,19.812 U28.6@41.91,21.133
  Bottom Layer w2: VT32.2@6.096,17.145 8.255,17.145 ; VT30.3@6.096,30.886 8.357,30.886 9.906,29.337
  Bottom Layer w3: 8.255,17.145 9.906,18.796 9.906,24.511 ; 9.906,29.337 9.906,24.511 ; X11.2@29.163,23.876 10.541,23.876 9.906,24.511
NetR1_1: R1.1 VT1.1 | length 2.7
  Top Layer w0.4: R1.1@174.387,19.685 VT1.1@177.038,19.685
NetR1_2: R1.2 U1.7 | length 33.9
  Top Layer w0.4: U1.7@142.621,22.047 142.621,23.622 143.256,24.257 155.956,24.257 160.528,19.685 R1.2@172.831,19.685
NetR2_1: R2.1 VT2.1 | length 2.8
  Top Layer w0.4: R2.1@174.26,64.516 177.013,64.516 VT2.1@177.038,64.491
NetR2_2: R2.2 U2.7 | length 34
  Top Layer w0.4: U2.7@142.621,66.751 142.621,68.453 143.129,68.961 158.75,68.961 163.449,64.262 171.069,64.262 171.323,64.516 R2.2@172.704,64.516
NetR3_1: R3.1 VT3.1 | length 2.8
  Top Layer w0.4: R3.1@174.26,30.861 177.013,30.861 VT3.1@177.038,30.886
NetR3_2: R3.2 U1.5 | length 42.1
  Top Layer w0.4: v1(139.573,19.685) 140.081,20.193 U1.5@140.081,22.047 ; v1(151.765,27.178) 157.607,33.02 170.545,33.02 R3.2@172.704,30.861
  Bottom Layer w0.4: v1(139.573,19.685) 144.272,19.685 v1(151.765,27.178)
NetR4_1: R4.1 VT4.1 | length 2.8
  Top Layer w0.4: R4.1@174.26,75.819 174.387,75.692 VT4.1@177.038,75.692
NetR4_2: R4.2 U2.5 | length 41.3
  Top Layer w0.4: v1(140.081,64.389) U2.5@140.081,66.751 ; v1(155.702,72.517) 161.29,72.517 166.497,77.724 169.926,77.724 171.831,75.819 R4.2@172.704,75.819
  Bottom Layer w0.4: v1(140.081,64.389) 147.574,64.389 v1(155.702,72.517)
NetR6_1: R6.1 U4.3 | length 2.4
  Top Layer w0.4: R6.1@144.669,32.385 146.858,32.385 U4.3@146.99,32.517
NetR7_1: R7.1 U5.3 | length 2.2
  Top Layer w0.4: R7.1@144.796,77.089 144.848,77.141 U5.3@146.99,77.141
NetR8_1: R8.1 VT5.1 | length 4.8
  Top Layer w0.4: R8.1@174.133,45.72 175.149,44.704 175.149,43.977 VT5.1@177.038,42.088